# KiCad board corne-cherry.kicad_pcb (continued)
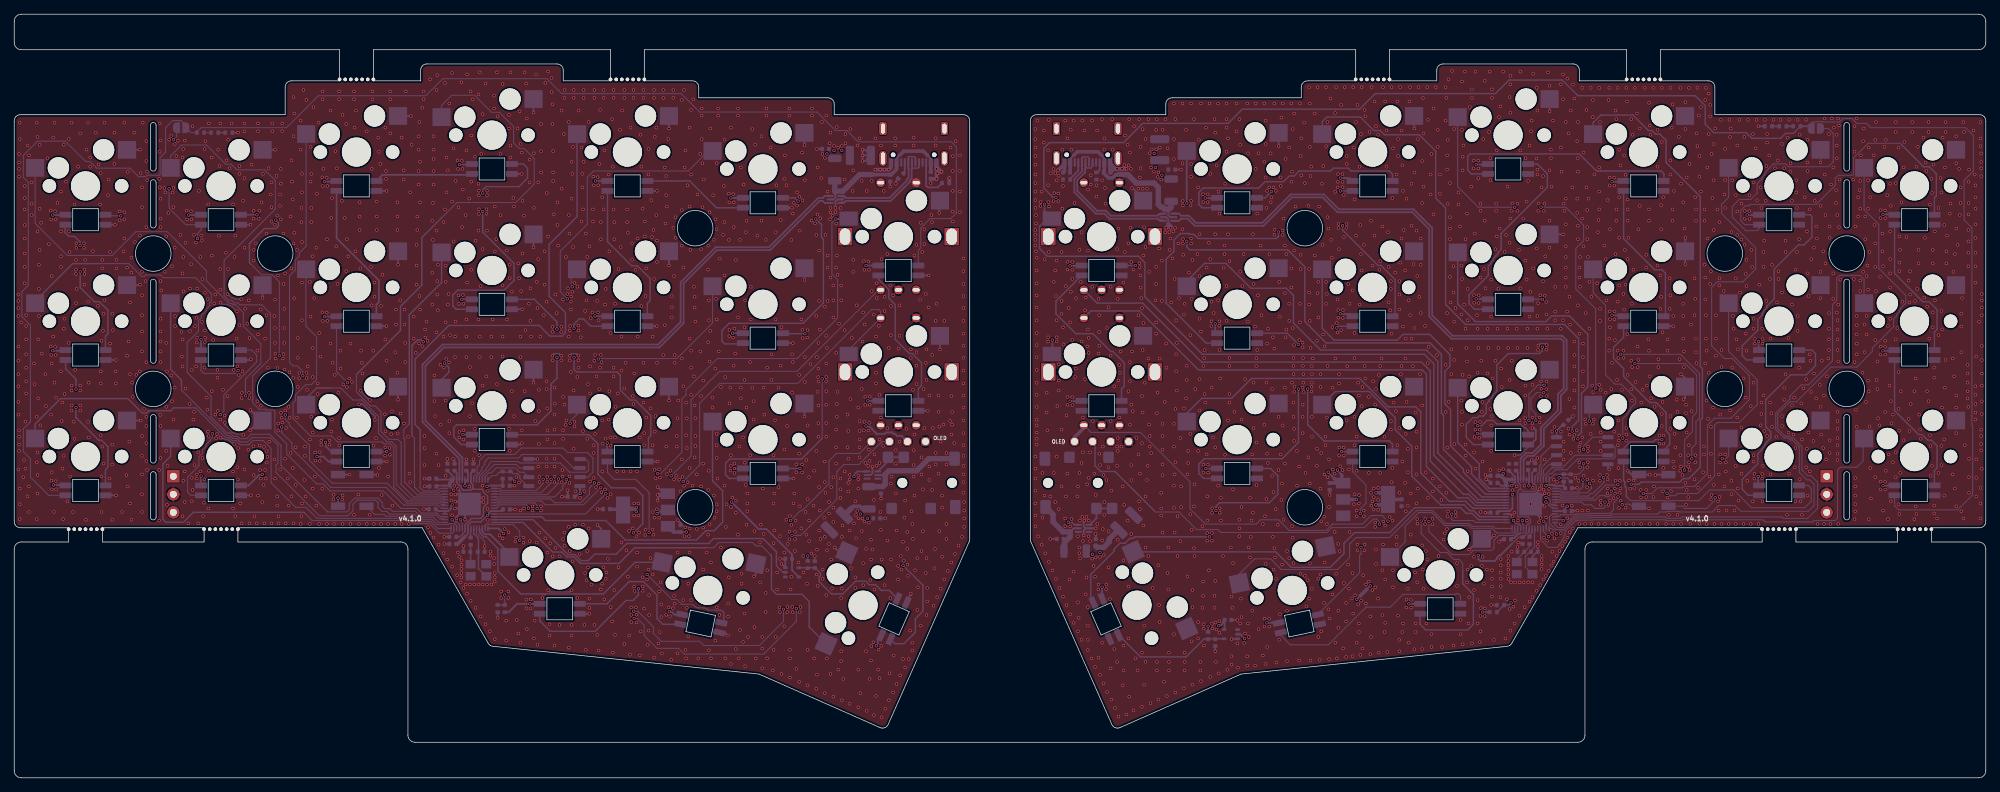
[diagram p0: board, top side]
## Routing (per net, layer and track width the routed paths; a pad name or vN(x,y) marks a point on that pad's centre or on a via; arc(x,y) is an arc through that point) (continued)
/left/AUX-5V: length 14.8
  Back w0.254: U201.5 122.38,42.62
  Back w0.762: 120.88,40.99 122.15,40.99 122.48,41.32 122.48,42.52 122.38,42.62 122.98,43.22 126.88,43.22 128.58,44.92 J202.2
/left/AUX-TX: length 4.5
  Back w0.254: J202.4 123.43,45.12 U201.4
/left/D+: length 88.1
  Back w0.254: U202.4 113.98,80.92 113.68,81.21 113.24,81.21 106.3,74.27 98.8,74.27 94.12,69.59 94.12,63.99 90.7,60.57 60.4,60.57 57.82,57.99 57.82,50.27 63.01,45.07 63.01,44.51 63.01,44.51 63.01,41.98 U1.47
/left/D-: length 88.8
  Back w0.254: 62.59,41.98 62.59,42.15 62.6,42.16 62.6,44.9 62.26,45.23 ; U202.6 113.98,81.92 113.68,81.63 113.07,81.63 106.13,74.69 98.63,74.69 93.71,69.77 93.71,64.17 90.53,60.99 60.23,60.99 57.41,58.17 57.41,50.09 62.27,45.23
/left/D_esd_+: length 16.2
  Back w0.203: J201.B6 127.23,85.97 127.08,85.82 126.35,85.82 126.23,85.94 J201.A6
  Back w0.254: J201.A6 126.23,85.77 126.18,85.72 126.18,84.35 125.95,84.11 125.95,83.92 123.24,81.21 116.99,81.21 116.79,81.01 116.32,81.01 U202.3
/left/D_esd_-: length 15.6
  Back w0.203: J201.A7 126.73,87.31 126.6,87.43 125.75,87.43 125.73,87.41 J201.B7
  Back w0.254: U202.1 116.33,81.82 116.79,81.82 116.98,81.63 123.07,81.63 125.53,84.09 125.53,84.28 125.77,84.52 125.77,85.72 125.73,85.77 J201.B7
/left/KEY1: length 62.2
  Back w0.152: 106.35,31.39 105.1,32.64 104.28,32.64 103.8,33.12 99.08,33.12 98.34,32.38 97.31,32.38
  Back w0.203: 97.31,32.38 87.24,32.38 85.04,30.18 79.61,30.18 78.71,31.08 77.71,31.08 77.01,31.78 75.71,31.78 71.55,35.94 U1.14 ; 113.11,18.88 114.13,18.88 SW1.1 111.78,21.23 111.78,24.81 110.77,25.83 107.18,25.83 106.48,26.54 106.48,31.27 106.35,31.39
/left/KEY2: length 49.3
  Back w0.203: U1.12 74.18,36.74 74.7,36.22 83.17,36.22 85.91,33.48 95.94,33.48 97.24,34.78 98.41,34.78 99.61,35.98 99.61,40.38 98.19,41.8 SW2.1
/left/KEY3: length 54.1
  In1.Cu w0.152: v1(82.13,58.96) 82.1,58.93 82.1,58.24 81.08,57.22 79.08,57.22 76.53,54.68 v1(76.53,42.06)
  Back w0.152: v1(82.13,58.96) 82.19,59.02 93.18,59.02 98.19,64.03 SW3.1 ; v1(76.53,42.06) 76.53,41.85 76.5,41.82 76.5,41.44 74.91,39.86 68.36,39.86 68.28,39.94 U1.4
/left/KEY4: length 75.8
  In1.Cu w0.152: v1(77.78,67.42) 77.78,66.82 76.88,65.92 74.08,65.92 73.18,65.02 73.18,57.32 74.38,56.12 v1(74.38,42.02)
  Back w0.152: v1(74.38,42.02) 74.38,41.42 73.38,40.42 68.59,40.42 68.27,40.74 U1.2 ; 98.19,88.24 97.6,88.24 94.78,85.42 81.48,85.42 80.58,84.52 80.58,77.92 76.78,74.12 76.78,68.42 v1(77.78,67.42)
/left/KEY5: length 76.7
  Back w0.152: 57.08,46.01 57.08,40.82 57.52,40.38 59.52,40.38 59.88,40.74 U1.41
  Back w0.203: 57.08,46.01 57.08,49.02 56.38,49.72 56.38,58.94 61.11,63.68 73.81,63.68 75.31,62.18 77.02,62.18 77.51,62.67 77.51,65.48 75.21,67.78 75.21,75.08 79.14,79.01 SW5.1
/left/KEY6: length 43.7
  In1.Cu w0.152: v1(75.49,42.01) 75.49,57.2 74.58,58.12 74.58,64.22 75.18,64.82 77.98,64.82 79.58,66.42 79.58,68.02 v1(78.48,69.12)
  Back w0.152: SW6.1 78.32,70.76 78.32,69.27 v1(78.48,69.12) ; v1(75.49,42.01) 75.49,41.53 74.09,40.14 68.48,40.14 68.28,40.34 U1.3
/left/KEY7: length 22.9
  In1.Cu w0.152: v1(77.64,41.97) 77.58,42.03 77.58,43.92 78.18,44.52 v1(78.18,49.92)
  Back w0.152: U1.5 76,39.54 77.13,40.67 77.13,41.07 77.6,41.54 77.6,41.72 77.64,41.76 v1(77.64,41.97) ; SW7.1 79.14,51.18 78.18,50.22 v1(78.18,49.92)
/left/KEY8: length 33.6
  Back w0.152: 74.88,25.88 78.68,25.88
  Back w0.203: 78.68,25.88 82.84,25.88 87.29,30.33 SW8.1 ; U1.18 65.41,34.99 65.45,34.95 65.45,34.48 66.01,33.92 66.37,33.92 68.01,32.28 68.01,29.08 71.21,25.88 74.2,25.88 74.2,25.88 74.62,25.88 74.62,25.88 74.88,25.88
/left/KEY9: length 6
  Back w0.254: SW9.1 69.62,31.58 66.91,34.28 66.16,34.28 65.81,34.63 U1.17
/left/KEY10: length 35.2
  In1.Cu w0.203: v1(60.51,58.38) v1(57.51,61.38)
  Back w0.152: 55.91,48.16 56.28,47.8 56.28,40.92 57.1,40.1 59.7,40.1 59.95,40.34 U1.40
  Back w0.203: v1(60.51,58.38) 61.11,57.78 61.11,57.08 60.09,56.06 SW10.1 ; v1(57.51,61.38) 57.24,61.65 56.72,61.65 55.91,60.84 55.91,48.16
/left/KEY11: length 41.1
  Back w0.152: 55.55,49.81 54.78,49.04 54.78,47.76 54.91,47.62 54.91,41.58 56.68,39.82 60.01,39.82 60.13,39.94 U1.39
  Back w0.203: SW11.1 60.09,69.73 55.55,65.19 55.55,49.81
/left/KEY12: length 92
  Back w0.152: SW12.1 60.09,94.66 61.51,96.08 64.71,96.08 67.11,93.68 68.21,93.68 70.21,91.68 70.21,89.38 71.01,88.58 71.71,88.58 73.11,87.18 73.11,83.58 70.51,80.98 62.24,80.98 60.09,78.83 ; 48.11,56.78 48.11,54.34 50.09,52.36 50.73,52.36 51.56,51.53 51.56,48.76 52.68,47.64 53.95,47.64 54.41,47.18 54.41,41.28 56.16,39.54 60.56,39.54 U1.38
  Back w0.203: 60.09,78.83 57.31,76.05 57.31,69.36 54.31,66.36 54.31,62.98 48.11,56.78
/left/KEY13: length 72.2
  In1.Cu w0.152: v1(38.11,51.08) 38.21,51.08 40.58,53.44 v1(40.58,56.6)
  Back w0.152: v1(40.58,56.6) 40.58,57.22 39.81,57.98 39.21,57.98 38.71,58.48 38.71,70.68 39.51,71.48 39.51,72.88 40.09,73.46 40.09,73.88 41.04,74.83 SW13.1 ; U1.35 60.47,38.44 60.07,38.44 59.83,38.68 55.23,38.68 55.17,38.74 55.16,38.74 52.42,41.48 44.71,41.48 41.51,44.68 41.51,46.78 38.71,49.58 38.71,49.88 38.11,50.48 v1(38.11,51.08)
/left/KEY14: length 53
  Back w0.152: U1.36 60.47,38.84 60.07,38.84 59.93,38.98 55.33,38.98 55.29,39.02 55.28,39.02 53.38,40.92 53.38,46.52 52.88,47.02 51.97,47.02 51.71,47.28 45.48,47.28 44.64,48.12 41.67,48.12 39.21,50.58 39.21,52.78 39.56,53.13 39.56,53.93 40.96,55.33 41.76,55.33 42.51,56.08 42.51,62.08 41.01,63.58 41.01,71.55 SW14.1
/left/KEY15: length 32.1
  Back w0.152: 44.51,54.88 45.91,54.88 47.61,53.18 48.88,53.18 51.21,50.85 51.21,48.48 52.37,47.32 53.07,47.32 53.71,46.68 53.71,41.32 55.78,39.26 60.05,39.26 60.07,39.24 60.47,39.24 U1.37
  Back w0.203: 44.51,54.88 42.51,54.88 41.04,53.41 SW15.1
/left/KEY16: length 55.2
  Back w0.152: U1.27 61.81,34.66 61.57,34.43 59.76,34.43 58.41,35.78 56.16,35.78 55.72,36.22 41.87,36.22 40.86,37.23
  Back w0.203: 40.86,37.23 40.71,37.38 25.21,37.38 23.81,35.98 21.31,35.98 20.9,36.39 20.9,44.17 21.99,45.26 SW16.1
/left/KEY17: length 63.5
  Back w0.152: U1.29 59.65,35.94 58.91,36.68 56.67,36.68 56.23,37.12 52.78,37.12 52.41,37.48 51.71,37.48 51.16,38.03 51.16,38.73 50.81,39.08 48.21,39.08 47.63,38.5 47.63,37.6 46.91,36.88 42.91,36.88 36.81,42.98 36.81,44.02 37.08,44.28 37.08,46.82 36.01,47.88 33.41,47.88 32.81,47.28 31.78,47.28 31.3,47.76 30.73,47.76 30.44,48.04 30.41,48.04 30.29,48.16 29.93,48.16 23.51,54.58 23.51,55.18
  Back w0.203: SW17.1 21.99,57.5 23.51,55.98 23.51,55.18
/left/KEY18: length 95.8
  Back w0.152: SW18.1 21.99,87.53 23.54,89.08 27.01,89.08 29.71,86.38 30.51,86.38 31.31,85.58 35.21,85.58 36.71,84.08 36.71,80.06 29.51,72.86 29.51,67.88 30.18,67.21 30.58,67.21 30.93,66.86 31.43,66.86 31.71,66.58 34.81,66.58 36.01,65.38 36.01,59.07 33.51,56.57 33.51,53.67 33.56,53.62 33.56,53.3 33.51,53.25 33.51,52.82 34.45,51.88 35.31,51.88 35.43,51.76 36.48,51.76 36.67,51.57 36.67,51.13 36.64,51.09 36.64,48.68 38.31,47 38.31,45.58 42.51,41.38 43.41,41.38 44.41,40.38 51.91,40.38 53.57,38.71 53.58,38.71 54.38,37.92 56.58,37.92 57.23,37.27 59.43,37.27 59.95,36.74 U1.31
/left/KEY19: length 95.5
  In1.Cu w0.152: v1(37.61,49.38) 36.51,49.38 33.21,52.68 32.91,52.68 32.51,53.08 v1(32.51,53.78)
  Back w0.152: v1(37.61,49.38) 37.61,48.58 39.06,47.13 39.06,46.33 44.51,40.88 52.31,40.88 54.81,38.38 59.61,38.38 60.05,37.94 U1.34 ; SW19.1 2.94,78.05 7.47,73.52 13.75,73.52 17.11,76.88 21.51,76.88 27.01,71.38 27.01,69.98 30.06,66.93 30.18,66.93 30.35,66.76 30.63,66.76 30.81,66.58 31.11,66.58 32.21,65.48 32.21,63.58 34.68,61.12 34.68,58.32 32.51,56.16 v1(32.51,53.78)
/left/KEY20: length 92.8
  Back w0.152: U1.30 60.47,36.44 60.07,36.44 60.05,36.46 59.84,36.46 59.32,36.98 56.91,36.98 56.38,37.52 53.18,37.52 52.81,37.88 52.11,37.88 51.76,38.23 51.76,38.73 51.11,39.38 47.91,39.38 47.11,38.58 47.11,37.78 46.76,37.43 44.06,37.43 37.51,43.98 37.51,46.78 35.93,48.36 33.3,48.36 32.66,47.73 31.73,47.73 31.42,48.04 30.85,48.04 30.35,48.55 29.94,48.55 27.68,50.81 27.68,53.71 24.31,57.07 24.31,61.27 25.91,62.87 25.91,64.38 26.31,64.78 26.31,65.08 27.01,65.78 27.01,65.98 27.51,66.48 27.51,66.88 27.71,67.08 27.71,68.18 25.49,70.4 20.95,70.4 20.57,70.78 18.51,70.78 18.31,70.58 17.91,70.58 16.11,72.38 11.91,72.38
  Back w0.203: SW20.1 2.94,67.11 8.21,72.38 11.91,72.38
/left/KEY21: length 73.5
  Back w0.152: 24.71,52.08 25.51,52.08 29.71,47.88 30.18,47.88 30.3,47.76 30.33,47.76 30.61,47.48 31.19,47.48 31.79,46.88 32.96,46.88 33.56,47.48 35.01,47.48 36.11,46.38 36.11,41.53 39.56,38.08 41.01,38.08 42.57,36.52 55.82,36.52 56.28,36.06 58.58,36.06 59.54,35.1 61.21,35.1
  Back w0.203: 24.71,52.08 22.41,52.08 22.01,51.67 18.93,51.67 18.61,51.35 18.01,51.35 15.98,53.38 6.51,53.38 2.94,49.81 SW21.1 ; U1.28 61.21,35.1
/left/KEYEX1: length 91.4
  In1.Cu w0.152: v1(90.48,42.82) 89.88,42.82 88.78,41.72 83.08,41.72 82.88,41.92 81.98,41.92 v1(81.58,41.52)
  In1.Cu w0.254: EXSW1.S2 116.76,78.72 115.58,78.72 v1(115.53,78.67)
  Back w0.152: EXSW1.S2 115.58,78.72 114.98,78.12 114.98,70.92 115.78,70.12 115.78,64.72 110.08,59.02 98.88,59.02 94.48,54.62 94.48,53.92 93.88,53.32 93.88,45.82 90.88,42.82 v1(90.48,42.82) ; U1.6 67.84,39.14 67.96,39.26 75.43,39.26 75.98,38.72 79.68,38.72 80.88,39.92 80.88,40.8 81.58,41.5 v1(81.58,41.52)
  Back w0.254: v1(115.53,78.67) 117.27,78.67 EXSW1.S2
/left/KEYEX2: length 79.4
  In1.Cu w0.152: v1(83.18,39.98) 83.24,39.98 83.7,40.44 92.8,40.44 v1(94.08,41.72)
  Back w0.152: v1(94.08,41.72) 96.38,44.02 96.38,52.72 99.18,55.52 110.18,55.52 120.58,65.92 121.58,65.92 121.83,65.67 EXSW2.S2 117.33,60.23 EXSW2.S2 ; v1(83.18,39.98) 80.34,37.14 U1.11
/left/LED: length 47.8
  Back w0.203: U501.2 108.1,28.92 107.18,29.84 107.18,30.61 107.17,30.61 107.17,31.03 107.18,31.03 107.18,31.82 105.31,33.68 98.32,33.68 97.62,32.98 86.14,32.98 84.64,31.48 81.61,31.48 80.71,30.58 79.68,30.58 78.85,31.41 77.88,31.41 72.95,36.34 U1.13
/left/LED_lvl_up: length 18.2
  Back w0.203: LED1.4 123.04,26.38 121.91,26.38 121.11,27.18 120.21,27.18 119.71,27.68 118.31,27.68 116.51,25.88 114.91,25.88 113.17,27.63 113.17,28.23 113.38,28.44 113.38,28.82 112.63,29.57 U501.4
/left/QSPI_SCLK: length 17.6
  Back w0.152: U4.6 78.64,43.6 76.73,45.52 71.39,45.52 70.89,45.02 66.68,45.02 66.18,44.52 66.18,44.12 65.78,43.72 65.78,43.32 65.38,42.92 65.38,42.82 65.01,42.45 U1.52
/left/QSPI_SD0: length 20.2
  Back w0.152: U1.53 65.41,42.45 66.38,43.42 66.38,43.62 66.83,44.07 66.83,44.27 67.08,44.52 70.88,44.52 71.08,44.32 76.78,44.32 78.08,43.02 80.48,43.02 80.78,43.32 80.78,44.42 80.32,44.87 U4.5
/left/QSPI_SD1: length 7.6
  Back w0.152: U1.55 66.21,42.38 66.75,42.92 67.08,42.92 67.78,43.62 70.48,43.62 71.08,43.02 71.66,43.02 U4.2
/left/QSPI_SD2: length 7.9
  Back w0.152: U4.3 71.09,43.6 70.58,44.12 67.51,44.12 65.81,42.41 U1.54
/left/QSPI_SD3: length 24.4
  Back w0.152: U1.51 64.61,42.45 65.09,42.93 65.09,43.73 65.43,44.07 65.43,44.67 66.28,45.52 70.38,45.52 71.28,46.42 77.18,46.42 77.83,45.77 80.63,45.77 81.38,45.02 81.38,43.02 80.69,42.33 U4.7
/left/QSPI_SS: length 7.5
  Back w0.152: U1.56 67.16,42.53 67.71,42.53 68.2,43.02 69.89,43.02 70.09,42.82 70.78,42.82 70.8,42.79 70.82,42.79 71.09,42.51 71.09,42.5 71.1,42.5 71.1,42.12 72.15,41.06 U4.1 72.03,41.06
/left/RE0A: length 71.9
  In1.Cu w0.152: v1(92.38,42.52) 91.25,41.4 89.18,41.4 88.9,41.12 82.73,41.12 v1(82.46,40.85)
  Back w0.152: v1(92.38,42.52) 95.18,45.32 95.18,53.22 99.18,57.22 110.08,57.22 121.54,68.68 EXSW1.A ; v1(82.46,40.85) 80.05,38.44 74.66,38.44 74.11,38.98 68.08,38.98 67.84,38.74 U1.7
/left/RE1A: length 93
  In1.Cu w0.152: v1(73.52,37.91) 73.52,35.83 77.93,31.42 78.78,31.42 79.58,30.62 82.78,30.62 83.88,29.52 83.88,24.92 85.34,23.45 v1(87.1,23.45) ; v1(109.18,36.22) 105.38,32.42 105.38,27.32 108.18,24.52 v1(108.18,23.72)
  In1.Cu w0.254: J3.1 121.83,48.64 EXSW2.A
  Back w0.152: v1(108.18,23.72) 108.18,22.02 104.78,18.62 96.98,18.62 96.38,19.22 90.98,19.22 89.88,20.32 89.88,21.25 87.67,23.45 v1(87.1,23.45) ; J3.1 118.84,45.66 115.61,45.66 114.58,44.62 114.58,41.39 110.8,37.62 110.58,37.62 v1(109.18,36.22) ; U1.8 67.84,38.34 68.08,38.58 68.08,38.59 68.2,38.7 73.19,38.7 73.52,38.37 v1(73.52,37.91) 73.53,37.92 73.58,37.92
/left/REB: length 122.5
  In1.Cu w0.152: v1(72.31,37.94) 72.31,35.18 75.68,31.82 76.98,31.82 77.68,31.12 78.68,31.12 79.78,30.02 79.78,27.02 84.38,22.42 v1(87.18,22.42) ; v1(109.38,34.12) 108.68,34.12 106.78,32.22 106.78,27.82 109.98,24.62 v1(109.98,23.82)
  In1.Cu w0.203: EXSW1.B 130.18,65.33 130.18,61.42 127.67,58.92 127.67,55.82 129.38,54.12 129.38,51.33 127.67,49.63 EXSW2.B
  In1.Cu w0.254: EXSW2.B 125.71,48.52 124.88,48.52 123.69,47.33 J3.2
  Back w0.152: v1(72.31,37.94) 72.31,38.11 72,38.42 68.32,38.42 68.08,38.19 68.08,38.18 67.94,38.04 67.89,38.04 67.8,37.94 U1.9 ; J3.2 122.06,47.33 121.87,47.14 121.8,47.14 118.75,44.1 116.65,44.1 115.68,43.12 115.68,39.22 110.58,34.12 v1(109.38,34.12) ; v1(109.98,23.82) 109.98,22.02 105.38,17.42 94.22,17.42 93.42,18.22 90.38,18.22 88.58,20.02 88.58,21.48 87.64,22.42 v1(87.18,22.42)
/left/SWCLK: length 47.5
  In1.Cu w0.152: J4.1 23.95,42.44 24.48,41.92 24.48,38.42 25.58,37.32 34.58,37.32 35.04,37.78 55.31,37.78 56.07,37.02 60.78,37.02 61.18,37.42 61.38,37.42 61.38,37.42 61.77,37.42 61.77,37.42 62.48,37.42 62.78,37.12 62.78,36.33 v1(62.77,36.32)
  Back w0.152: U1.24 63.01,35.79 62.88,35.92 62.88,36.21 v1(62.77,36.32)
/left/SWD: length 41.5
  In1.Cu w0.152: v1(61.58,36.32) 23.42,36.32 J4.3
  Back w0.152: U1.25 62.61,35.69 62.25,36.04 62.06,36.04 62.04,36.06 61.83,36.06 v1(61.58,36.32)
/left/TX: length 110.7
  In1.Cu w0.254: v1(118.08,42.42) 118.08,39.52 117.38,38.82 117.38,35.72 120.23,32.87 123.93,32.87 127.58,29.22 127.58,27.07 127.6,27.04 127.6,26.6 127.58,26.57 127.58,22.42 126.88,21.72 126.88,20.52 125.68,19.32 125.68,18.32 121.98,14.62 115.58,14.62 112.78,17.42 94.18,17.42 93.48,18.12 87.38,18.12 86.08,19.42 74.28,19.42 73.38,20.32 71.78,20.32 67.68,24.42 67.68,26.72 68.28,27.32 68.28,28.12 69.08,28.92 69.08,33.36 69.21,33.5 69.21,33.98 v1(68.81,34.38)
  Back w0.254: U1.15 68.09,35.1 v1(68.81,34.38) ; v1(118.08,42.42) 118.08,42.65 118.54,43.12 U201.3
/left/USB_VBUS_PIN: length 18.1
  In1.Cu w0.152: v1(68.98,25.72) 68.98,27.52 69.78,28.32 69.78,31.72 71.08,33.02 v1(71.08,33.42)
  Back w0.152: v1(71.08,33.42) 71.08,34.72 70.16,35.63 66.87,35.63 66.76,35.74 66.41,35.74 66.21,35.54 U1.16 ; v1(68.98,25.72) R8.2 R9.1
/right/D+: length 95.8
  Back w0.254: rU1.47 212.23,41.98 212.23,44.78 212.76,45.31 213.66,45.31 215.08,46.73 215.08,49.13 217.48,51.53 217.48,53.83 218.28,54.63 218.28,61.6 217.66,62.23 202.26,62.23 199.38,65.1 199.38,77.4 196.76,80.03 186.26,80.03 184.16,82.13 179.49,82.13 175.49,78.13 166.16,78.13 165.16,79.13 164.07,79.13 163.77,79.42 U303.4
/right/D-: length 95.1
  Back w0.254: rU1.46 211.81,41.98 211.81,44.95 212.59,45.73 213.49,45.73 214.67,46.9 214.67,49.3 217.07,51.7 217.07,54 217.87,54.8 217.87,61.43 217.49,61.81 202.09,61.81 198.97,64.93 198.97,77.23 196.59,79.61 186.09,79.61 183.99,81.71 179.66,81.71 175.66,77.71 165.99,77.71 164.99,78.71 164.07,78.71 163.77,78.42 U303.6
/right/esd_D+: length 20.4
  Back w0.203: J301.B6 151.63,86.07 151.41,85.85 150.77,85.85 150.63,86 J301.A6
  Back w0.254: U303.3 161.43,79.32 160.96,79.32 160.76,79.12 154.16,79.12 153.46,79.83 152.26,79.83 149.48,82.6 149.48,84.13 150.58,85.23 150.58,85.72 150.63,85.77 J301.A6
/right/esd_D-: length 21.2
  Back w0.203: J301.B7 150.13,87.26 150.27,87.41 150.98,87.41 151.13,87.26 J301.A7
  Back w0.254: U303.1 161.43,78.51 160.96,78.51 160.77,78.71 153.99,78.71 153.29,79.41 152.09,79.41 149.07,82.43 149.07,84.3 150.17,85.4 150.17,85.72 150.13,85.77 J301.B7
/right/KEY1: length 58.4
  Back w0.203: rU1.30 205.88,36.34 205,37.22 204.18,37.22 203.38,38.02 196.91,38.02 193.41,34.52 188.48,34.52 186.98,33.02 186.98,31.57 185.03,29.62 179.57,29.62 177.39,31.8 rSW1.1
/right/KEY2: length 60.7
  Back w0.203: rU1.34 205.08,37.94 204.1,38.92 201.78,38.92 197.78,42.92 197.78,51.52 197.08,52.22 193.18,52.22 189.18,56.22 173.98,56.22 171.18,53.42 166.98,53.42 164.87,51.31 rSW2.1
/right/KEY3: length 70.1
  Back w0.203: rSW3.1 164.87,69.91 167.38,72.42 170.38,72.42 173.88,68.92 178.88,68.92 179.88,67.92 179.88,64.02 183.68,60.22 198.58,60.22 200.18,58.62 200.18,45.72 206.35,39.54 rU1.38
/right/KEY4: length 85.3
  In1.Cu w0.203: v1(164.88,80.92) v1(164.88,75.52)
  Back w0.203: v1(164.88,75.52) 164.88,74.72 165.28,74.32 179.08,74.32 181.48,71.92 181.48,64.22 184.48,61.22 199.08,61.22 200.68,59.62 200.68,51.32 200.98,51.02 200.98,46.22 203.78,43.42 203.78,43.02 206.85,39.94 rU1.39
  Back w0.254: v1(164.88,80.92) 164.87,80.93 164.87,88.24
/right/KEY5: length 95
  In1.Cu w0.152: v1(219.08,48.82) 219.08,49.28 218.74,49.62 218.34,49.62 217.98,49.25 217.98,48.32 218.35,47.94 218.35,42.73 219.76,41.32 220.86,41.32 220.98,41.44 v1(221.5,41.44)
  Back w0.152: v1(221.5,41.44) 221.78,41.16 221.78,40.72 221.18,40.12 220.15,40.12 219.97,39.94 217.71,39.94 217.3,40.34 rU1.3
  Back w0.203: v1(219.08,48.82) 219.08,49.42 219.98,50.32 219.98,61.82 217.98,63.82 204.08,63.82 201.28,66.62 201.28,80.22 199.88,81.62 199.88,88.22 197.58,90.52 192.68,90.52 192.08,91.12 191.18,91.12 189.28,93.02 184.58,93.02 183.92,92.36 rSW5.1
/right/KEY6: length 53
  Back w0.203: rSW6.1 183.92,63.28 185.58,61.62 194.48,61.62 195.28,62.42 199.04,62.42 201.88,59.58 201.88,57.92 201.18,57.22 201.18,52.62 201.98,51.82 201.98,46.72 204.92,43.77 204.92,42.76 207.34,40.34 rU1.40
/right/KEY7: length 37.4
  Back w0.203: rU1.31 206.08,36.74 205.21,37.61 204.68,37.61 203.87,38.42 200.58,38.42 196.52,42.48 196.52,46.68 194.18,49.02 194.18,50.72 190.51,54.38 185.77,54.38 rSW7.1
/right/KEY8: length 46.7
  Back w0.152: rSW8.1 172.25,28.68 174.4,30.82 176.66,30.82 178.16,29.32 186.08,29.32 187.78,31.02 187.78,32.92 188.68,33.82 193.39,33.82 197.19,37.62 199.46,37.62 201.28,35.8 204.59,35.8 204.99,35.4 207.93,35.4 208.23,35.1 rU1.28
/right/KEY9: length 23.1
  Back w0.152: rU1.27 211.02,34.7 210.78,34.46 208.47,34.46 207.82,35.12 204.88,35.12 204.48,35.52 201.16,35.52 199.34,37.34 197.49,37.34 195.58,35.42 195.58,33.23 rSW9.1
/right/KEY10: length 18.4
  Back w0.203: rSW10.1 202.97,47.23 206,44.19 206,42.15 207.41,40.74 rU1.41
/right/KEY11: length 55.2
  In1.Cu w0.203: v1(219.88,47.72) 219.88,47.57 219.38,47.07 219.38,43.12 v1(220.58,41.92)
  Back w0.152: 220.58,41.32 220.58,40.94 219.85,40.22 217.82,40.22 217.3,40.74 rU1.2
  Back w0.203: v1(219.88,47.72) 219.88,48.12 220.38,48.62 220.38,54.12 221.28,55.02 221.28,62.42 218.68,65.02 216.18,65.02 215.38,64.22 205.48,64.22 202.97,66.73 rSW11.1 ; 220.58,41.32 v1(220.58,41.92)
/right/KEY12: length 76
  In1.Cu w0.152: v1(222.38,54.82) 222.58,54.62 222.58,48.42 223.2,47.8 223.27,47.8 223.55,47.52 223.55,44 223.5,43.94 223.5,42.27 v1(223.48,42.24) ; v1(210.98,80.32) v1(214.68,80.32)
  Back w0.152: v1(222.38,54.82) 222.38,66.02 219.58,68.82 219.58,74.52 220.68,75.62 220.68,77.82 218.18,80.32 v1(214.68,80.32) ; rSW12.1 202.97,83.23 205.88,80.32 v1(210.98,80.32) ; v1(223.48,42.24) 223.55,42.17 223.55,41.59 221.98,40.02 221.68,40.02 221.31,39.66 217.59,39.66 217.31,39.94 rU1.4
/right/KEY13: length 84.3
  In1.Cu w0.203: v1(225.49,41.26) 226.02,41.26 226.08,41.32 v1(227.38,41.32)
  Back w0.152: v1(225.49,41.26) 225.44,41.22 223.78,41.22 221.93,39.38 217.47,39.38 217.31,39.54 rU1.5
  Back w0.203: v1(227.38,41.32) 228.48,41.32 228.78,41.62 234.18,41.62 234.68,42.12 235.48,42.12 237.08,43.72 237.08,50.32 237.38,50.62 237.38,57.62 237.08,57.92 237.08,81.82 232.28,86.62 232.28,89.72 231.38,90.62 230.78,90.62 230.28,91.12 229.78,91.12 227.6,93.29 223.08,93.29 222.02,92.23 rSW13.1
/right/KEY14: length 44.5
  In1.Cu w0.152: v1(226.18,47.82) 226.18,43.52 224.58,41.92 v1(224.58,40.34)
  Back w0.152: rSW14.1 222.02,68.28 223.78,66.52 223.78,56.72 225.08,55.42 225.98,55.42 227.98,53.42 227.98,52.72 227.28,52.02 227.28,51.82 226.98,51.52 226.98,51.42 226.78,51.22 226.78,51.12 226.18,50.52 v1(226.18,47.82) ; rU1.6 217.31,39.14 217.36,39.1 222.3,39.1 222.93,39.72 223.67,39.72 223.83,39.56 224.23,39.56 224.51,39.84 224.51,39.85 224.58,39.92 v1(224.58,40.34)
/right/KEY15: length 23.3
  In1.Cu w0.152: v1(221.48,50.22) 221.48,49.12 221.2,48.84 221.2,48.2 222.18,47.22 222.18,43.62 222.48,43.32 222.48,40.62 223.7,39.39 223.7,38.84 v1(223.68,38.82)
  Back w0.152: v1(221.48,50.22) 221.48,51.99 rSW15.1 ; v1(223.68,38.82) 223.68,38.12 223.48,37.92 222.28,37.92 221.78,38.42 220.78,38.42 220.38,38.82 217.24,38.82 217.24,38.82 216.74,38.82 rU1.7
/right/KEY16: length 80.5
  In1.Cu w0.152: v1(213.96,50.32) 213.96,46.3 211.88,44.22 209.08,44.22 208.13,43.27 208.13,42.37 206.28,40.52 204.68,40.52 202.11,37.95 202.11,37.13 v1(202.13,37.12) ; v1(240.18,44.92) v1(235.88,44.92) ; v1(215.05,54.22) 215.05,54.24 215.08,54.22 215.28,54.22 215.28,54.23 215.68,54.23 215.69,54.22 216.18,54.22 217.18,55.22 217.68,55.22 220.48,58.02 220.58,58.02 222.18,59.62 v1(225.88,59.62)
  Back w0.152: rU1.29 205.45,35.94 205.18,36.22 202.28,36.22 202.11,36.39 202.11,37.1 v1(202.13,37.12) ; v1(225.88,59.62) 234.28,59.62 236.98,56.92 236.98,50.65 236.48,50.15 236.48,47.02 235.88,46.42 v1(235.88,44.92) ; v1(213.96,50.32) 213.96,51.23 213.28,51.92 213.28,53.42 214.08,54.22 214.97,54.22 215.05,54.3 v1(215.05,54.22) ; v1(240.18,44.92) 240.68,44.92 241.07,45.31 rSW16.1
/right/KEY17: length 61.5
  In1.Cu w0.152: v1(215.76,33.94) 215.8,33.9 215.8,33.79 216.38,33.22 217.08,33.22 218.08,34.22 218.08,34.62 218.68,35.22 218.68,35.42 219.58,36.32 231.38,36.32 231.98,36.92 231.98,39.64 v1(232.4,40.06)
  Back w0.152: rU1.17 215.02,34.66 215.67,34.02 215.68,34.02 v1(215.76,33.94) ; rSW17.1 241.07,60.03 245.08,56.02 245.08,52.52 242.58,50.02 239.48,50.02 239.08,49.62 239.08,42.42 236.68,40.02 233.88,40.02 233.58,39.72 232.88,39.72 232.54,40.06 v1(232.4,40.06)
/right/KEY18: length 81.4
  In1.Cu w0.152: v1(229.08,40.02) 227.18,40.02 226.69,39.53 v1(225.51,39.53)
  Back w0.152: v1(225.51,39.53) 225.39,39.41 225.39,39.18 224.88,38.67 224.88,37.72 224.38,37.22 221.55,37.22 221.47,37.14 219.5,37.14 219.38,37.02 217.43,37.02 217.24,36.84 216.75,36.84 rU1.12 ; rSW18.1 241.07,81.72 240.08,80.73 240.08,79.42 244.88,74.62 244.88,71.62 243.08,69.82 239.48,69.82 238.68,69.02 238.68,60.82 240.48,59.02 241.58,59.02 243.98,56.62 243.98,53.22 241.38,50.62 239.08,50.62 238.08,49.62 238.08,42.82 236.28,41.02 234.78,41.02 234.58,40.82 231.08,40.82 230.28,40.02 v1(229.08,40.02)
/right/KEY19: length 105.2
  Back w0.152: rU1.11 216.26,37.14 215.88,36.76 215.88,35.85 216.8,34.92 217.26,34.92 217.26,34.92 217.66,34.92 217.66,34.92 217.78,34.92 217.79,34.94 217.89,34.94 218.76,35.8 218.76,35.83 219.13,36.2 219.13,36.28 219.31,36.46 219.61,36.46 219.73,36.58 221.7,36.58 221.78,36.66 224.61,36.66 224.67,36.72 232.18,36.72 232.38,36.52 234.27,36.52 234.48,36.72 248.58,36.72 248.78,36.52 252.18,36.52 253.58,37.92 253.58,41.62 252.68,42.52 252.18,42.52 251.38,43.32 251.38,46.62 250.18,47.82 249.88,47.82 249.58,48.12 248.98,48.12 247.98,49.12 247.98,51.22 249.68,52.92 250.58,52.92 255.48,57.82 259.08,57.82 261.28,60.02 261.28,60.52 264.28,63.52 264.28,64.62 264.68,65.02 264.68,65.22 265.08,65.62 265.08,65.82 265.28,66.02 265.28,66.12 265.98,66.82 265.98,67.92 262.18,71.72 262.18,77.92 260.12,79.98 rSW19.1
/right/KEY20: length 85.7
  Back w0.152: rU1.14 216.66,35.64 217.08,35.22 217.78,35.22 218.48,35.92 218.48,35.94 218.85,36.32 218.85,36.4 219.19,36.74 219.49,36.74 219.61,36.86 221.59,36.86 221.67,36.94 224.49,36.94 224.67,37.12 231.08,37.12 231.38,37.42 232.28,37.42 232.35,37.5 234.1,37.5 234.18,37.42 238.78,37.42 239.68,38.32 241.98,38.32 242.78,37.52 252.28,37.52 253.08,38.32 253.08,41.32 252.46,41.94 252.06,41.94 250.99,43 250.99,46.6 250.06,47.54 249.76,47.54 249.46,47.84 248.86,47.84 247.69,49 247.69,51.33 249.68,53.32 249.68,53.72 251.28,55.32 252.28,55.32 255.68,58.72 255.68,66.62 256.28,67.22 256.28,70.32 256.68,70.72 259.58,70.72 260.12,70.18 rSW20.1
/right/KEY21: length 60.7
  Back w0.152: rSW21.1 259.98,47.62 259.98,44.62 259.08,43.72 256.78,43.72 256.38,43.32 256.38,36.52 256.08,36.22 253.08,36.22 252.88,36.02 246.18,36.02 245.88,36.32 234.58,36.32 234.48,36.22 234.18,36.22 234.17,36.22 233.48,36.22 233.47,36.22 233.08,36.22 233.07,36.22 232.48,36.22 232.47,36.22 232.27,36.22 232.18,36.32 221.98,36.32 221.93,36.28 219.82,36.28 219.72,36.18 219.53,36.18 218.08,34.72 218.08,34.22 217.88,34.02 217.88,33.69 217.6,33.42 217.6,33.22 217.2,32.82 217.2,32.64 216.98,32.42 215.73,32.42 214.62,33.53 rU1.18
/right/KEYEX1: length 106.5
  In1.Cu w0.254: v1(144.88,80.72) 144.88,82.12 145.98,83.22 146.83,83.22 147.26,82.79 147.69,82.79 147.87,82.62 149.24,82.62 rEXSW1.S2
  Back w0.203: rEXSW1.S2 145.28,78.72 144.18,77.62 144.18,77.61 144.17,77.61 144.17,74.75 144.18,74.75 144.18,74.52 145.28,73.42 158.08,73.42 158.98,72.52 158.98,67.72 167.08,59.62 198.28,59.62 199.61,58.28 199.61,45.38 205.85,39.14 rU1.37
  Back w0.254: rEXSW1.S2 144.88,79.74 v1(144.88,80.72)